# Altium PCB motordriver-v5.1_willem.PcbDoc (part 6 of 6)
Units mil, origin at the board's own origin, x right, y up, seen from the top; angles counter-clockwise.
Board outline 3985.43 x 6141.73 mil, 4 copper layers (Top Copper, Signal Layer 1, Signal Layer 2, Bottom Copper), stack 46.063 mil thick; 731 components, 510 nets, 2436 pads, 771 vias.
Unrouted connection lines stored in the file: 766.
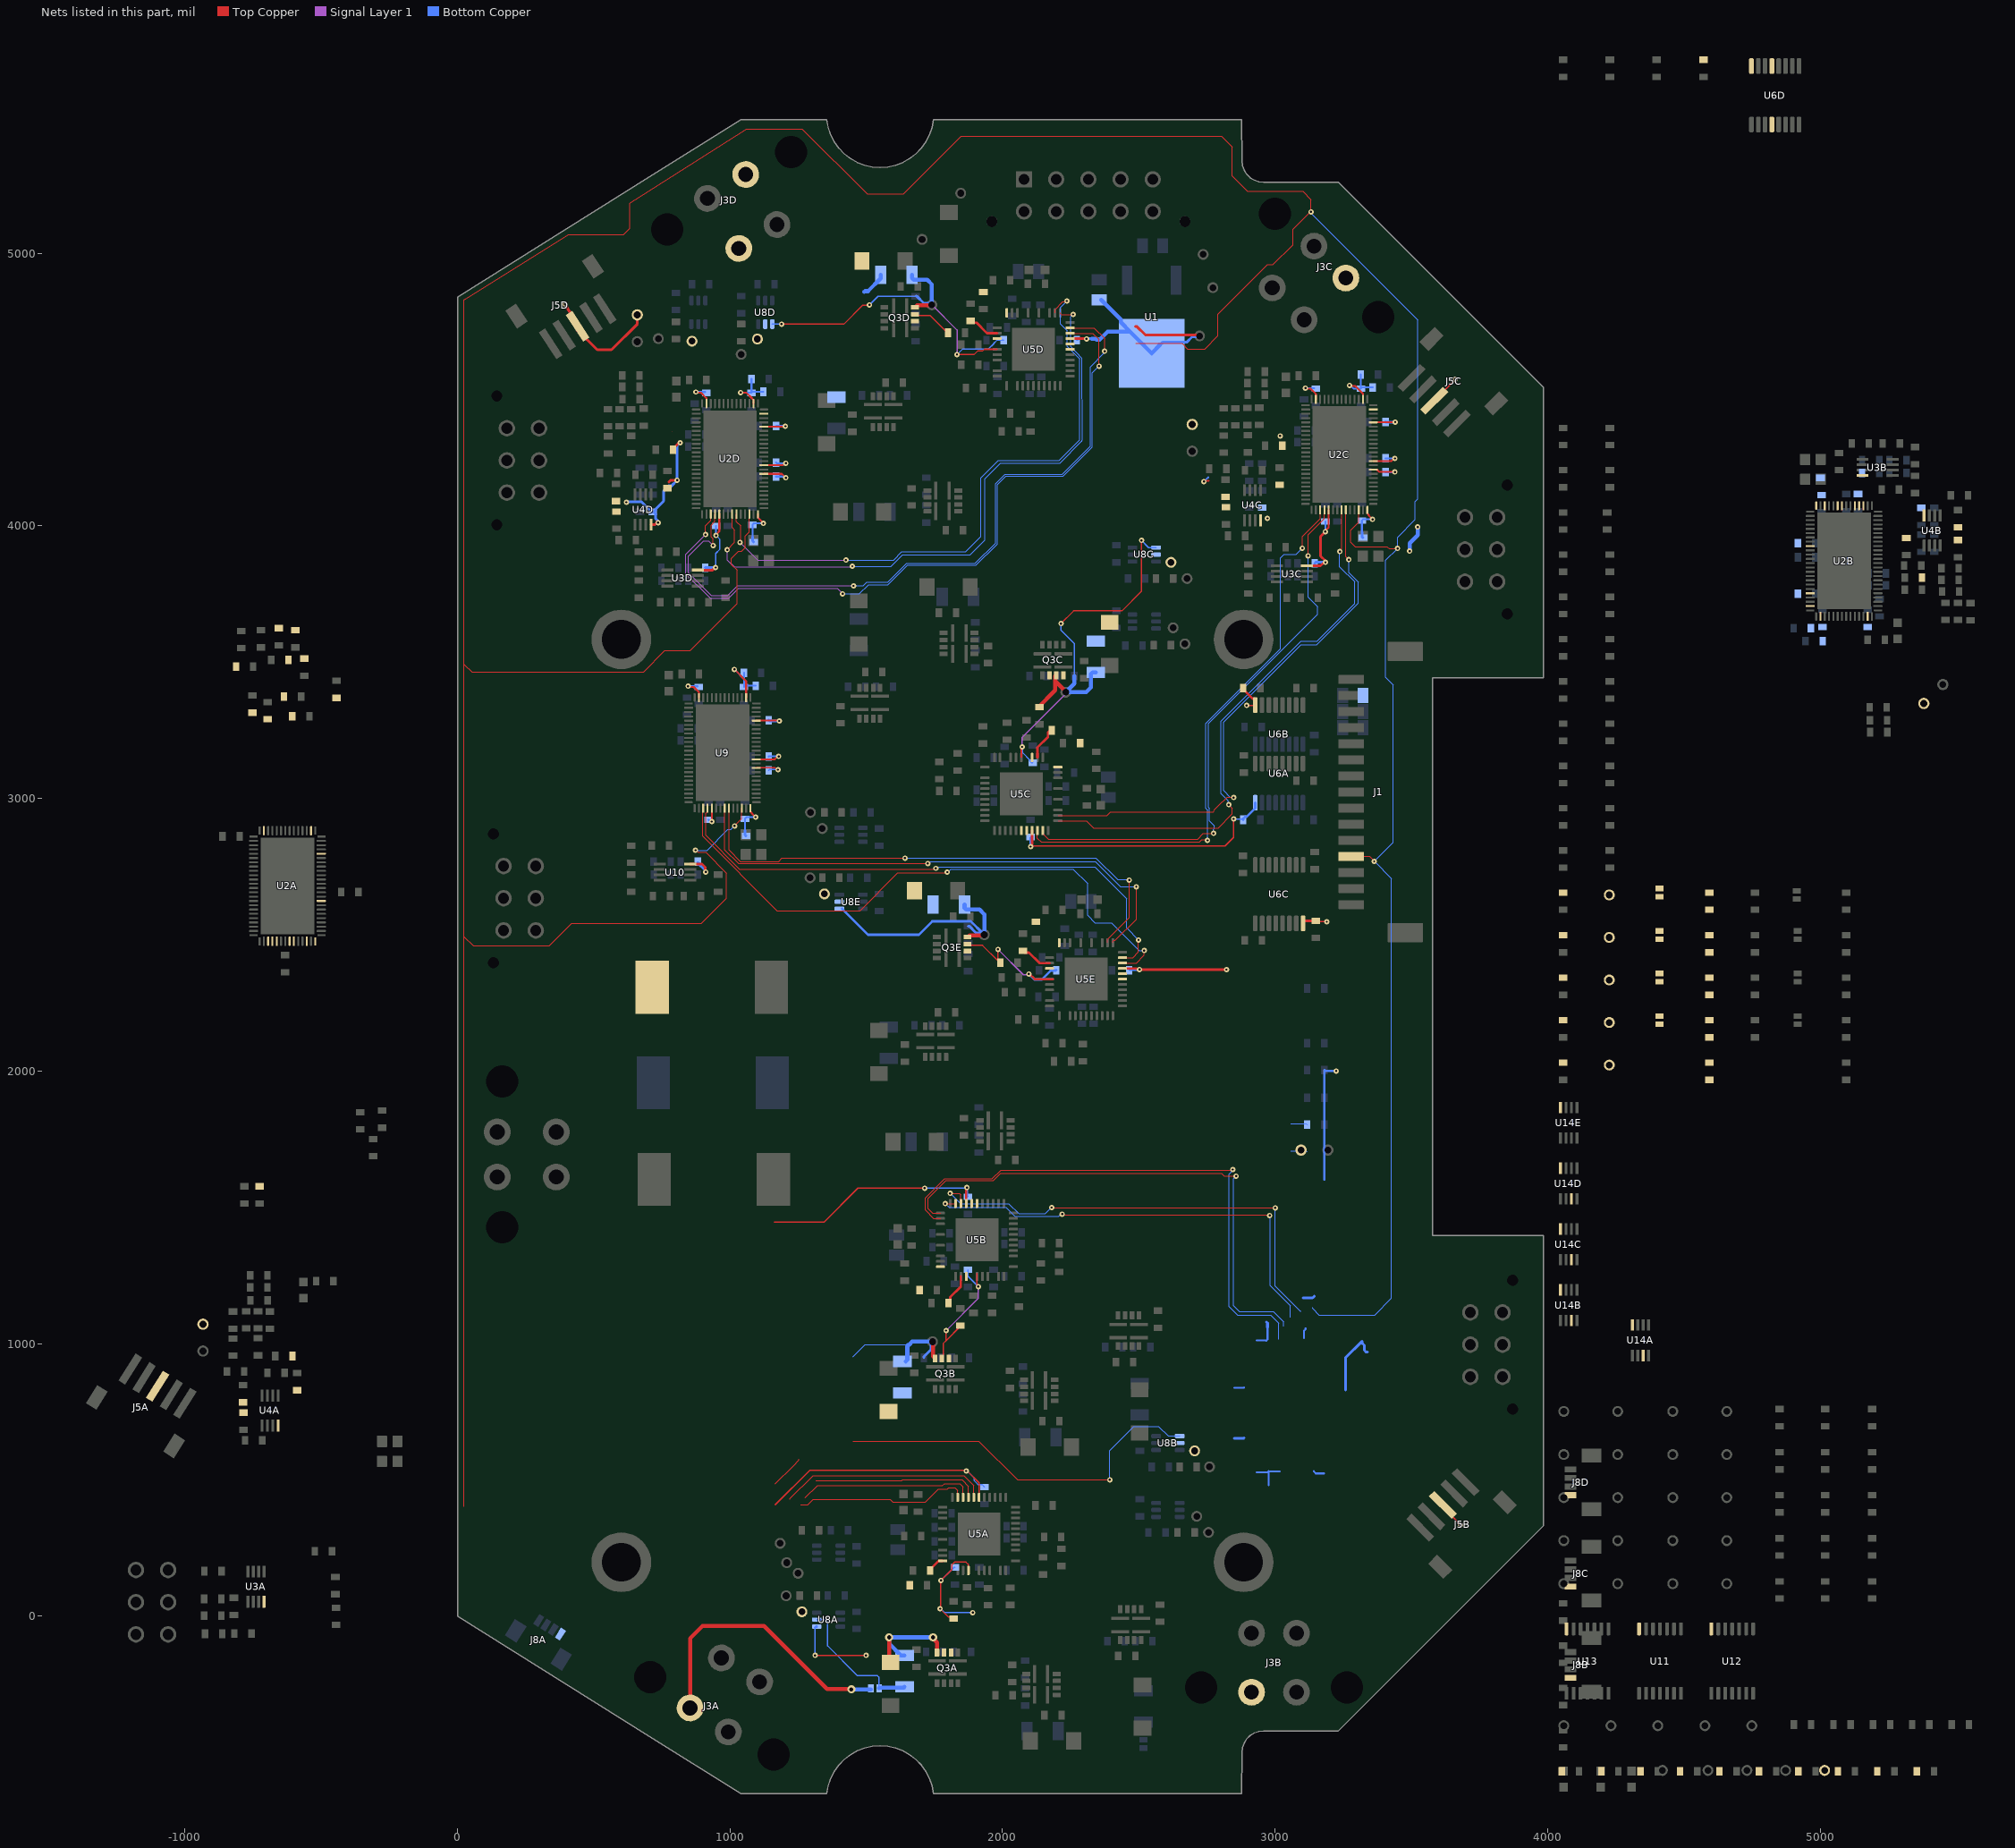
[diagram p8: the nets of this part, all layers, seen from the top]

## Via types
v1: diameter 19.68, hole 7.87, Top Copper to Bottom Copper, tented both sides, 476 vias
v2: diameter 24, hole 10, Top Copper to Bottom Copper, 160 vias
v3: diameter 19.68, hole 7.87, Top Copper to Bottom Copper, 80 vias
v4: diameter 30, hole 15, Top Copper to Bottom Copper, tented both sides, 55 vias

## Nets (pads, with @x,y where several pads share a name; then routed paths per layer and width w, separated by ;. In a path a pad name is that pad's centre, name@x,y a point inside that pad or via, vN(x,y) a via of type N, cw(c..) or ccw(c..) an arc to the next point about the centre after c; other vN are vias at no path point) (continued)
VCCCORE3C: C16C.2 U2C.63 | length 117.9
  Top Copper w7: U2C.63@3360.31,4238.15 3426.89,4238.15 3436.4,4247.66 v1(3439.83,4247.66)
  Bottom Copper w7: C16C.2@3405.51,4248.03 3405.88,4247.66 v1(3439.83,4247.66)
VCCCORE3D: C16D.2 U2D.63 | length 120.1
  Top Copper w7: U2D.63@1124.09,4222.4 1193.67,4222.4 1201.27,4230.01 v1(1204.7,4230.01)
  Bottom Copper w7: C16D.2@1169.29,4232.28 1171.57,4230.01 v1(1204.7,4230.01)
VCCCORE3E: C61.2 U9.63 | length 124
  Top Copper w7: U9.63@1096.54,3143.66 1164.54,3143.66 1175.31,3154.43 v1(1178.74,3154.43)
  Bottom Copper w7: C61.2@1141.73,3153.54 1142.61,3154.43 v1(1178.74,3154.43)
VCPA: C37A.1 U5A.29 | length 63.4
  Top Copper w9: C37A.1@1734,167 1734,170.94 1765.55,202.49 1779.79,202.49 U5A.29@1780.21,202.91
VCPB: C37B.1 U5B.29 | length 116.3
  Top Copper w9: C37B.1@1802.08,1148.54 1808.53,1154.99 1808.53,1170.74 1847.14,1209.34 1847.14,1246.22
VCPC: C37C.1 U5C.29 | length 116.3
  Top Copper w9: 2128.17,3150.36 2128.17,3187.23 2166.78,3225.83 2166.78,3241.58 C37C.1@2173.23,3248.03
VCPD: C37D.1 U5D.29 | length 116.3
  Top Copper w9: C37D.1@1882.48,4751.97 1888.93,4745.52 1904.68,4745.52 1943.28,4706.91 1980.16,4706.91
VCPE: C37E.1 U5E.29 | length 116.3
  Top Copper w9: C37E.1@2074.8,2440.95 2081.25,2434.5 2097,2434.5 2135.61,2395.89 2172.48,2395.89
VD: J3D.2 R46D.1 TP13D.1
VDD: C2.2 C7A.2 C7B.2 C7C.2 C7D.2 C11A.2 C11B.2 C11C.2 C11D.2 C20A.2 C20B.2 C20C.2 C20D.2 C21A.2 C21B.2 C21C.2 C21D.2 C22A.2 C22B.2 C22C.2 C22D.2 C23A.2 C23B.2 C23C.2 C23D.2 C24A.2 C24B.2 C24C.2 C24D.2 C25A.2 C25B.2 C25C.2 C25D.2 C26A.2 C26B.2 C26C.2 C26D.2 C27A.2 C27B.2 C27C.2 C27D.2 C43A.1 C43B.1 C43C.1 C43D.1 C43E.1 C45A.2 C45B.2 C45C.2 C45D.2 C53.2 C62.2 C63.2 C64.2 C65.2 C66.2 C67.2 C68.2 C69.2 FB1A.1 FB1B.1 FB1C.1 FB1D.1 FB2.1 J5A.3 J5B.3 J5C.3 J5D.3 R1.1 R2.1 R3.1 R4.1 R5.1 R6.1 R7.1 R8.1 R9.1 R10.1 R11.2 R14A.2 R14B.2 R14C.2 R14D.2 R15A.2 R15B.2 R15C.2 R15D.2 R31A.1 R31B.1 R31C.1 R31D.1 R32A.1 R32B.1 R32C.1 R32D.1 R33A.1 R33B.1 R33C.1 R33D.1 R70A.2 R70B.2 R70C.2 R70D.2 R70E.2 R73.2 R74.2 TP6.1 U1.2 U2A.2 U2A.13 U2A.43 U2A.52 U2A.61 U2A.72 U2B.2 U2B.13 U2B.43 U2B.52 U2B.61 U2B.72 U2C.2 U2C.13 U2C.43 U2C.52 U2C.61 U2C.72 U2D.2 U2D.13 U2D.43 U2D.52 U2D.61 U2D.72 U3A.8 U3B.8 U3C.8 U3D.8 U4A.8 U4B.8 U4C.8 U4D.8 U5A.16 U5B.16 U5C.16 U5D.16 U5E.16 U6A.16 U6B.16 U6C.16 U6D.16 U9.2 U9.13 U9.43 U9.52 U9.61 U9.72 U10.8 U11.14 U12.14 U13.14 U14A.8 U14B.8 U14C.8 U14D.8 U14E.8 | length 10175.6
  Top Copper w3.5: 788,4346 788.5,4346 ; R15D.2@790.5,4279 R15D.2@790.5,4282.94 ; v1@809.46,4301.9 813.9,4301.9 v1(817,4305)
  Top Copper w5: U9.61@1096.54,3112.17 1165.3,3112.17 1171.95,3105.51 v1(1175.93,3105.51) ; 1162.46,1445.02 1344.46,1445.02 1469.44,1570 v1(1714,1570) ; 1165.97,408.38 1292.6,535 1864.41,535 v1(1867,532.41) ; v1@1867,534 1869,534 1914.07,488.93 U5A.16@1914.07,435.19 ; v1(2102.94,2823.03) 2105.44,2825.53 2816.53,2825.53 2848,2857 2848,2924.53 v1(2848.23,2924.77) ; v1(2895.73,3341.27) U6B.16@2921.43,3341.27 ; U6B.16@2927.36,3352.36 U6B.16@2927.36,3347.19 ; C45C.2@3149.61,2551.18 3153.22,2547.57 v1(3189.9,2547.57) ; U6B.16@2921.43,3341.27 U6B.16@2927.36,3347.19 ; U6B.16@2921.43,3341.27 2925.03,3344.86 U6B.16@2927.36,3347.19
  Top Copper w7: v1(846.34,3411.65) 848.77,3409.22 866.5,3409.22 885.82,3389.91 U9.13@885.82,3370.13 ; v1(875.16,4491.19) 877.59,4488.76 893.27,4488.76 913.38,4468.65 913.38,4448.87 U2D.13@913.46,4448.78 ; v1(933,2915) 933.07,2915.07 U9.43@933.15,2964.53 U9.43@933.15,2964.53 ; v1(948.94,3964.81) 948.94,3968.25 960.71,3980.01 U2D.43@960.71,4043.27 ; v1(1016.25,3473.25) 1059.13,3430.36 1059.13,3370.21 U9.2@1059.05,3370.13 ; v1(1038.99,4489.3) 1059.59,4489.3 1081.53,4467.36 1081.53,4467.09 1086.69,4461.93 U2D.2@1086.69,4448.78 ; U9.52@1074.97,2964.44 1074.97,2951.3 1079.61,2946.65 1079.61,2945.74 v1(1094,2931.36) ; U9.72@1096.54,3285.39 1179.9,3285.39 v1(1180.86,3284.44) ; U2D.52@1102.44,4043.27 1102.44,4030.12 1122.2,4010.36 v1(1122.2,4009.37) ; U2D.61@1124.09,4190.91 1190.1,4190.91 v1(1204.69,4176.32) ; U2D.72@1124.09,4364.13 1202.11,4364.13 v1(1203.53,4365.55) ; v1(2739.34,4162.53) 2741.77,4164.96 2755.94,4164.96 ; v1(3111.45,4505.64) 3113.88,4503.22 3130.78,4503.22 3149.6,4484.4 3149.6,4464.61 U2C.13@3149.68,4464.53 ; v1(3184.5,3978.77) 3184.5,3982.2 3196.93,3994.63 U2C.43@3196.93,4059.02 ; v1(3272.96,4515.34) 3274.39,4513.92 3293.31,4513.92 3303.29,4503.94 3322.83,4484.4 U2C.2@3322.83,4464.61 ; U2C.52@3338.75,4058.93 3338.75,4045.78 3343.33,4041.21 3343.33,4038.56 3357.61,4024.28 v1(3357.61,4024.08) ; U2C.61@3360.31,4206.65 3360.4,4206.57 3373.82,4206.57 3382.48,4197.91 v1(3439.83,4197.91) ; U2C.72@3360.31,4379.88 3439.74,4379.88 v1(3441.02,4381.16) ; J5C.3@3584.23,4459.08 3584.23,4460.21 v1(3661.42,4537.4) ; J5B.3@3615.99,408.04 3615.99,399.76 v1(3681.1,334.65)
  Top Copper w9: 1866.82,1513.93 1866.82,1564.72 1867.12,1565.02 1867.12,1570.07 v1(1869.16,1572.11) ; v1@2103.91,2824 2104.98,2825.07 2104.98,2828.35 2108.49,2831.85 2108.49,2882.64 ; 2247.87,4687.23 2307.45,4687.23 v1(2308.41,4686.26) ; 2440.2,2376.21 2490.98,2376.21 2492.92,2374.26 2500.68,2374.26 v1(2502.72,2372.22) 2821.78,2372.22 v1(2822,2372) ; C45B.2@2883.37,3405.24 2883.37,3401.3 2918.1,3366.56 2923,3366.56 2927.36,3362.2 U6B.16@2927.36,3352.36 ; U6C.16@3102.74,2541.61 3102.74,2546.82 3107.09,2551.18 C45C.2@3149.61,2551.18
  Top Copper w10: v1(393.7,4812.99) 415.2,4779.95 J5D.3@440.94,4732.28 440.94,4718.06 513,4646 565,4646 660,4741 R14D.2@660,4774.21 ; v1(619.69,4086.8) v1@619.69,4088.97 ; U4D.8@710.53,4004.68 724.71,4004.68 731.84,4011.81 v1(736.22,4011.81) v1@732.48,4015.55 ; 775.59,4161.42 776.16,4161.42 781.16,4166.42 804.42,4166.42 v1(805.8,4167.8) ; R15D.2@790.5,4282.94 v1@809.46,4301.9 ; U10.8@853.74,2759.02 897.81,2759.02 909.15,2747.68 909.15,2731.85 v1(911,2730) ; U3D.8@881.3,3837.76 935.6,3837.76 944.9,3847.06 v1(947.52,3847.06) ; 2488.19,4732.28 2492.13,4732.28 2523.62,4700.79 2722.85,4700.79 ; U3C.8@3117.52,3853.5 3167.12,3853.5 3179.76,3866.14 v1(3185.04,3866.14) 3185.04,3871.43 3167.09,3889.38 3167.09,3961.05 3184.5,3978.46 v1(3184.5,3978.77)
  Bottom Copper w3.5: 3058.27,1707.09 3115.75,1707.09 3118.11,1704.72 ; 3058.27,1807.09 3114.17,1807.09 R74.2@3118.11,1803.15
  Bottom Copper w5: v1(947.52,3847.06) 947.52,3898.52 963,3914 963,3950.76 v1(948.94,3964.81) ; C67.2@1141.73,3102.36 1144.88,3105.51 v1(1175.93,3105.51) ; v1(1714,1570) 1715.06,1571.06 1868.11,1571.06 v1(1869.16,1572.11) ; v1(1867,532.41) 1870.59,532.41 1896.41,506.59 1896.41,496.59 1910,483 1924.44,483 C43A.1@1933.75,473.69 ; v1(2848.23,2924.77) 2880.13,2924.77 C45A.2@2883.37,2921.54
  Bottom Copper w7: v1(846.34,3411.65) C64.2@880.15,3411.65 ; v1(875.16,4491.19) C22D.2@908.51,4491.19 ; C69.2@921.26,2921.26 923,2919.52 928.48,2919.52 v1(933,2915) ; C27D.2@948.82,4000 948.94,3999.87 v1(948.94,3964.81) ; v1(1016.25,3473.25) 1051.18,3438.31 ; v1(1038.99,4489.3) 1077.63,4489.3 C23D.2@1078.74,4488.19 ; C63.2@1051.18,3460.63 1051.18,3438.31 ; 1055.12,2881.89 C68.2@1055.12,2925.2 1061.28,2931.36 v1(1094,2931.36) ; C21D.2@1078.74,4539.37 C23D.2@1078.74,4488.19 ; 1082.68,3960.63 C26D.2@1082.68,4003.94 1088.11,4009.37 v1(1122.2,4009.37) ; C62.2@1094.49,3413.39 1055.12,3413.39 C65.2@1051.18,3409.45 1051.18,3438.31 ; C20D.2@1122.05,4492.13 1082.68,4492.13 C23D.2@1078.74,4488.19 ; C25D.2@1169.29,4181.1 1196.47,4181.1 1201.26,4176.32 v1(1204.69,4176.32) ; v1(2739.34,4162.53) 2754.74,4177.93 ; 2851.11,837.76 2885,837.76 2885.83,838.58 ; 2932.06,1011.69 2966.45,1011.69 2967.42,1010.72 2972.44,1015.75 2972.44,1059.06 ; 2933.07,527.56 2972.44,527.56 2976.38,531.5 ; 2976.38,480.32 2976.38,531.5 ; 3016.79,530.85 2977.03,530.85 2976.38,531.5 ; 3106.3,1019.69 3106.3,1046.37 3112,1052.07 3112,1055.5 ; v1(3111.45,4505.64) C22C.2@3143.43,4505.64 ; 3141.73,531.5 3149.78,523.45 3179.81,523.45 ; v1(3184.5,3978.77) 3184.5,4015.21 C27C.2@3185.04,4015.75 ; v1(3272.96,4515.34) 3276.4,4515.34 3287.8,4503.94 C23C.2@3314.96,4503.94 ; C21C.2@3314.96,4555.12 C23C.2@3314.96,4503.94 ; 3318.9,3976.38 C26C.2@3318.9,4019.68 3323.3,4024.08 v1(3357.61,4024.08) ; C20C.2@3358.27,4507.87 3318.9,4507.87 C23C.2@3314.96,4503.94 ; C25C.2@3405.51,4196.85 3438.77,4196.85 v1(3439.83,4197.91)
  Bottom Copper w9: v1(1869.16,1572.11) 1869.16,1542.09 C43B.1@1870.97,1540.27 ; v1(2102.94,2823.03) 2102.94,2854.9 C43C.1@2104.33,2856.3 ; C43D.1@2274.22,4683.07 2277.4,4686.26 v1(2308.41,4686.26) 2309.12,4686.97 2328.01,4686.97 ; C43E.1@2466.54,2372.05 2466.7,2372.22 v1(2502.72,2372.22) ; C45A.2@2883.37,2921.54 2883.37,2925.47 2890.68,2932.78 2895.58,2932.78 2927.36,2964.57 U6A.16@2927.36,2984.25 ; 3181.1,1602.36 3181.1,2003.94 3185.04,2000 v1(3224.41,2000)
  Bottom Copper w10: v1(619.69,4086.8) 620.72,4087.83 675.95,4087.83 686.65,4077.13 712.6,4051.18 C11D.2@720.47,4051.18 ; v1(736.22,4011.81) 736.22,4017.1 727.28,4026.03 727.28,4044.37 C11D.2@720.47,4051.18 ; v1(817,4305) 805.8,4293.8 v1(805.8,4167.8) 805.8,4167.23 785.18,4146.61 775.15,4146.61 756.62,4128.08 756.62,4091.26 727.28,4061.93 727.28,4057.99 C11D.2@720.47,4051.18 ; C53.2@881.89,2763.78 909.15,2736.52 909.15,2731.85 v1(911,2730) ; C7D.2@909.45,3846.46 910.05,3847.06 v1(947.52,3847.06) ; 1055.12,2881.89 1055.12,2866.14 FB2.1@1059.06,2862.2 ; 1082.68,3960.63 1082.68,3944.88 FB1D.1@1086.61,3940.94 ; C66.2@1141.73,3287.4 1144.7,3284.44 v1(1180.86,3284.44) ; C24D.2@1169.29,4366.14 1169.89,4365.55 v1(1203.53,4365.55) ; U1.2@2578.69,4664.67 2588.81,4674.79 2677.22,4674.79 2696.28,4693.85 2719.71,4693.85 2722.75,4696.89 ; 2849.54,651.81 2884.1,651.81 2885.83,653.54 ; 2968.5,1078.74 2972.44,1074.8 2972.44,1059.06 ; 3102.89,1167.25 3138.03,1167.25 3144.57,1173.79 ; C7C.2@3145.67,3862.2 3149.61,3866.14 v1(3185.04,3866.14) ; 3258.31,830.34 3258.31,947.28 3318.9,1007.87 3318.9,1002.59 3327.83,993.65 3327.83,975.32 3334.65,968.5 3338.58,968.5 ; 3318.9,3976.38 3318.9,3960.63 FB1C.1@3322.83,3956.69 ; C24C.2@3405.51,4381.89 3406.24,4381.16 v1(3441.02,4381.16)
  Bottom Copper w15: 2328.01,4686.97 2341.11,4686.97 2344.11,4683.97 2357.2,4683.97 2385.83,4712.6 U1.2@2467.87,4712.6 ; C2.2@2361.83,4829.14 2433.91,4757.06 2433.91,4746.55 U1.2@2467.87,4712.6 ; U1.2@2578.69,4664.67 U1.2@2547.24,4633.22 U1.2@2467.87,4712.6 ; v1(3494.09,3907.48) 3494.09,3937.01 3523.62,3966.54 v1(3523.62,3996.06)
  other v1: 2972.44,4027.56 3019,4330
VHA: U2A.41 U5A.17 | length 770.3
  Top Copper w3.5: 1220.41,428.42 1220.41,430.84 1304.57,515 1859,515 1894.38,479.62 U5A.17@1894.38,435.19
VHB: U2B.41 U5B.17 | length 1725.7
  Top Copper w3.5: v1(1808,1551) 1841.7,1551 1847.14,1545.56 1847.14,1513.93 ; v1(2180,1499) 2180.5,1498.5 3000.5,1498.5 v1(3001,1498)
  Bottom Copper w3.5: v1(1808,1551) 1808.64,1551 1846.06,1513.58 2022.25,1513.58 2059.56,1476.27 2157.27,1476.27 v1(2180,1499) ; v1(3001,1498) 3001,1211.14 3092.93,1119.21 3094.95,1119.21
VHC: U2C.41 U5C.17 | length 2077.8
  Top Copper w3.5: 2128.17,2882.64 2128.17,2853.83 2142,2840 2723,2840 2731.65,2848.65 2749.54,2848.65 v1(2751.99,2846.2) ; v1(3100,3918) 3100,3961 3165.43,4026.43 U2C.41@3165.43,4059.02
  Bottom Copper w3.5: v1(2751.99,2846.2) 2751.99,2956.87 2746,2962.86 2746,3275 3020,3549 3020,3882 3034,3896 3078,3896 v1(3100,3918)
VHD: U2D.41 U5D.17 | length 2687.6
  Top Copper w3.5: v1(910,3968) 910,4001 929.21,4020.21 U2D.41@929.21,4043.27 ; 2247.87,4706.91 2331.09,4706.91 2354,4684 v1(2354,4586)
  Signal Layer 1 w3.5: v1(910,3968) 837,3895 837,3824.12 927.12,3734 995.88,3734 1032.06,3770.19 1393.81,3770.19 v1(1413.3,3750.7)
  Bottom Copper w3.5: v1(1413.3,3750.7) 1474.7,3750.7 1508,3784 1580,3784 1651.93,3855.93 1902.93,3855.93 1981.07,3934.07 1981.07,4152.07 2011.93,4182.93 2221.93,4182.93 2329.07,4290.07 2329.07,4561.07 v1@2358.83,4590.83
VHE: U5E.17 U9.41 | length 2200.6
  Top Copper w3.5: U9.41@901.65,2964.53 899.84,2962.72 899.84,2943.72 899.41,2943.29 899.41,2861.59 1173,2588 1477,2588 1616,2727 1794.41,2727 v1(1797,2729.59) ; 2440.2,2395.89 2490.89,2395.89 2520,2425 v1(2520,2442)
  Bottom Copper w3.5: v1(1797,2729.59) 1800,2729.59 1810.41,2740 2259,2740 2312,2687 2312,2571.72 2339.72,2544 2400,2544 2502,2442 v1(2520,2442)
VLA: U2A.42 U5A.18 | length 738.2
  Top Copper w3.5: 1166.6,485.44 1233.19,552.02 1253,571.83 1253,576 ; 1315,497 1630,497 1633,500 1851,500 1874.7,476.3 U5A.18@1874.7,435.19
VLB: U2B.42 U5B.18 | length 1659.2
  Top Copper w3.5: v1(1790,1513) 1826.52,1513 1827.45,1513.93 ; v1(2219,1475) 2221.5,1472.5 2977.91,1472.5 v1(2980.41,1470)
  Bottom Copper w3.5: v1(1790,1513) 1803.73,1499.27 2012.69,1499.27 2045.57,1466.38 2206.27,1466.38 2214.89,1475 v1(2219,1475) ; v1(2980.41,1470) 2983,1467.41 2983,1212.01 3056.26,1138.75 3056.26,1095.38
VLC: U2C.42 U5C.18 | length 2057.3
  Top Copper w3.5: 2147.86,2882.64 2147.86,2870.83 2167.69,2851 2716,2851 2736.74,2871.74 v1(2774.04,2871.74) ; v1(3121.57,3890.29) 3121.57,3967.57 3181.18,4027.18 U2C.42@3181.18,4059.02
  Bottom Copper w3.5: v1(2774.04,2871.74) 2773.85,2871.92 2773.85,2885.63 2777.6,2889.38 2777.6,2899.4 2759.26,2917.74 2759.26,2963.74 2756,2967 2756,3275 3156,3675 3156,3703 3121.57,3737.43 v1(3121.57,3890.29)
VLD: U2D.42 U5D.18 | length 2730.5
  Top Copper w3.5: v1(937.88,3928.23) 937.88,3952.42 931,3959.29 931,4003 944.96,4016.96 U2D.42@944.96,4043.27 ; 2247.87,4726.6 2336.4,4726.6 2375,4688 v1(2375,4641)
  Signal Layer 1 w3.5: v1(937.88,3928.23) 921.64,3944.46 902.46,3944.46 846.81,3888.81 846.81,3828.19 931.19,3743.81 991.81,3743.81 1028,3780 v1(1453,3780)
  Bottom Copper w3.5: v1(1453,3780) 1489,3780 1502,3793 1579,3793 1649,3863 1900,3863 1974,3937 1974,4155 2009,4190 2219,4190 2322,4293 2322,4583.77 2375,4636.77 v1(2375,4641)
VLE: U5E.18 U9.42 | length 2029.9
  Top Copper w3.5: U9.42@917.4,2964.53 917.4,2951.38 911,2944.98 911,2865 1035,2741 1752.41,2741 v1(1755,2743.59) ; 2440.2,2415.58 2478.58,2415.58 2499,2436 v1(2499,2481)
  Bottom Copper w3.5: v1(1755,2743.59) 1759.38,2743.59 1763.71,2747.92 2339.06,2747.92 2417.98,2669 ; 2418,2669 2454.79,2632.21 2454.79,2525.21 v1(2499,2481)
W: L3.2 NT2E.2
W_FBKA: C40A.2 R50A.1 R69A.2 U5A.32 | length 836.3
  Top Copper w5: v1(1312.32,-144.38) v1(1499.32,-144.38) ; R50A.1@1821,-8.99 1814.87,-2.87 1800.68,-2.87 v1(1770.86,26.96) 1772.46,28.56 1772.46,129.4 v1(1774.06,131) 1814,170.94 1814,188 1824,198 1866,198 1874.7,189.3 U5A.32@1874.7,167.47 U5A.32@1875.56,166.61 ; v1(1891,13) v1@1891,16.97
  Top Copper w15: R50A.1@1825.54,-11.01 R50A.1@1825.54,-8.57
  Bottom Copper w5: v1(1312.32,-144.38) 1312.32,-41.83 ; v1@1770.86,20.28 1773.86,23.28 1776.77,23.28 1787.05,13 v1(1891,13) ; v1(1774.06,131) 1822.06,179 C40A.2@1826,179
  Bottom Copper w9.02: 1312.32,-41.83 1315.68,-38.46 1318.39,-38.46
W_FBKB: C40B.2 R50B.1 R69B.2 U5B.32 | length 2511.6
  Top Copper w3.5: 1451,642 1913.12,642 2055.12,500 v1(2393.7,500)
  Top Copper w5: 1782.4,946.85 1782.4,1000.43 1793.02,1011.06 ; v1(1793.02,1047.76) 1793.02,1011.06 ; R50B.1@1845.39,1063.42 1793.02,1011.06 ; v1(1910.92,1209.08) 1910.92,1211.43 v1@1906.19,1216.16 ; v1@1906.19,1216.16 1906.19,1258.03 v1@1906.19,1216.16
  Top Copper w15: 1743.03,1006.81 1744.94,1004.89 1744.94,952.8 1750.9,946.85 ; R50B.1@1845.39,1063.42 R50B.1@1845.39,1065.86
  Signal Layer 1 w5: v1(1793.02,1047.76) 1910.92,1165.66 v1(1910.92,1209.08)
  Bottom Copper w3.5: 1451,951 1496.06,996.06 1650.65,996.06 ; v1(2393.7,500) 2393.7,607.83 2481.98,696.1 2572.41,696.1 2608,660.51 2650.12,660.51
  Bottom Copper w5: C40B.2@1872.95,1270.59 1872.95,1247.05 v1(1910.92,1209.08)
  Bottom Copper w10: 1650.65,996.06 1657.48,996.06 1668.22,1006.81 ; 1711.53,947.75 1711.53,951.69 1737.29,977.44 1737.29,1001.07 1743.03,1006.81
  Bottom Copper w15: 1644.98,934.37 1650.65,940.04 1650.65,989.23 1657.48,996.06 1668.22,1006.81 1737.29,1006.81 1743.03,1006.81
W_FBKC: C40C.2 R50C.1 R69C.2 U5C.32 | length 1726.2
  Top Copper w5: 2069.12,3150.36 2069.12,3183.78 2072.18,3186.85 v1(2072.18,3189.2) ; v1(2214.57,3641.73) 2261.16,3688.32 2438.32,3688.32 2509.84,3759.84 v1(2509.84,3946.85)
  Top Copper w15: R50C.1@2129.92,3330.71 R50C.1@2129.92,3333.15 ; 2192.91,3449.73 2192.91,3431.5 ; 2232.28,3389.77 2232.28,3392.13 2192.91,3431.5 ; R50C.1@2129.92,3333.15 2192.91,3396.14 ; R50C.1@2129.92,3333.15 2192.91,3396.14 ; 2192.91,3396.14 2192.91,3431.5
  Signal Layer 1 w5: v1(2072.18,3189.2) 2072.18,3224.67 2232.28,3384.77 2232.28,3389.77
  Bottom Copper w5: v1(2072.18,3189.2) 2073.85,3187.54 2073.85,3167.44 2099.33,3141.96 2099.33,3138.03 2106.64,3130.71 C40C.2@2110.57,3130.71 ; v1(2214.57,3641.73) 2214.57,3617.43 2263.78,3568.22 2263.78,3448.82 ; v1(2509.84,3946.85) 2536.34,3920.35 2563.5,3920.35
  Bottom Copper w15: 2263.78,3448.82 2263.78,3421.26 2232.28,3389.77 2307.09,3389.77 ; 2307.09,3389.76 2324.66,3407.34 2324.66,3456.54 2330.33,3462.21 2342.52,3462.21
W_FBKD: C40D.2 R50D.1 R69D.2 U5D.32 | length 1588.8
  Top Copper w5: v1(1188.98,4740.16) 1417.32,4740.16 1486.97,4809.8 v1@1510.59,4809.8 ; 1680.79,4771.65 1734.37,4771.65 1797.36,4708.66 R50D.1@1799.8,4708.66 ; v1(1832.91,4628.44) 1895.44,4628.44 1908.46,4641.46 1926.66,4641.46 1933.06,4647.86 1980.16,4647.86
  Top Copper w10: v1@1510.59,4809.8 v1(1511.81,4811.02)
  Top Copper w15: 1680.79,4803.15 1686.75,4809.11 1738.84,4809.11 1740.75,4811.02
  Signal Layer 1 w5: 1740.75,4811.02 1832.91,4718.86 v1(1832.91,4628.44)
  Bottom Copper w5: 1154.92,4740.16 v1(1188.98,4740.16) ; v1(1511.81,4811.02) 1543.31,4842.52 1681.69,4842.52 ; v1(1832.91,4628.44) 1853.84,4649.37 1948.68,4649.37 1967.94,4668.63 1967.94,4669.82 1979.22,4681.1 C40D.2@2004.53,4681.1
  Bottom Copper w10: 1681.69,4842.52 1685.63,4842.52 1711.39,4816.76 1735.01,4816.76 1740.75,4811.02
  Bottom Copper w15: 1668.31,4921.26 1668.31,4909.07 1673.98,4903.4 1723.18,4903.4 1740.75,4885.83 1740.75,4811.02
W_FBKE: C40E.2 R50E.1 R69E.2 U5E.32 | length 1443.6
  Top Copper w5: 1873.11,2460.63 1926.69,2460.63 R50E.1@1983.54,2403.78 ; v1(1983.54,2446.13) R50E.1@1983.54,2403.78 ; R50E.1@1989.69,2397.64 R50E.1@1983.54,2403.78
  Top Copper w9: v1(2096.33,2355.87) 2099.22,2355.87 2118.26,2336.84 2184.29,2336.84
  Top Copper w15: 1873.11,2492.13 1879.07,2498.09 1931.16,2498.09 1933.07,2500 ; R50E.1@1989.69,2397.64 R50E.1@1992.13,2397.64